# Altium PCB PCB1.PcbDoc
Units mm, origin at the board's own origin, x right, y up, seen from the top; angles counter-clockwise.
Board outline 119.63 x 64.8 mm, 2 copper layers (Top Layer, Bottom Layer), stack 1.535 mm thick; 49 components, 73 nets, 318 pads, 199 vias.
Unrouted connection lines stored in the file: 1.
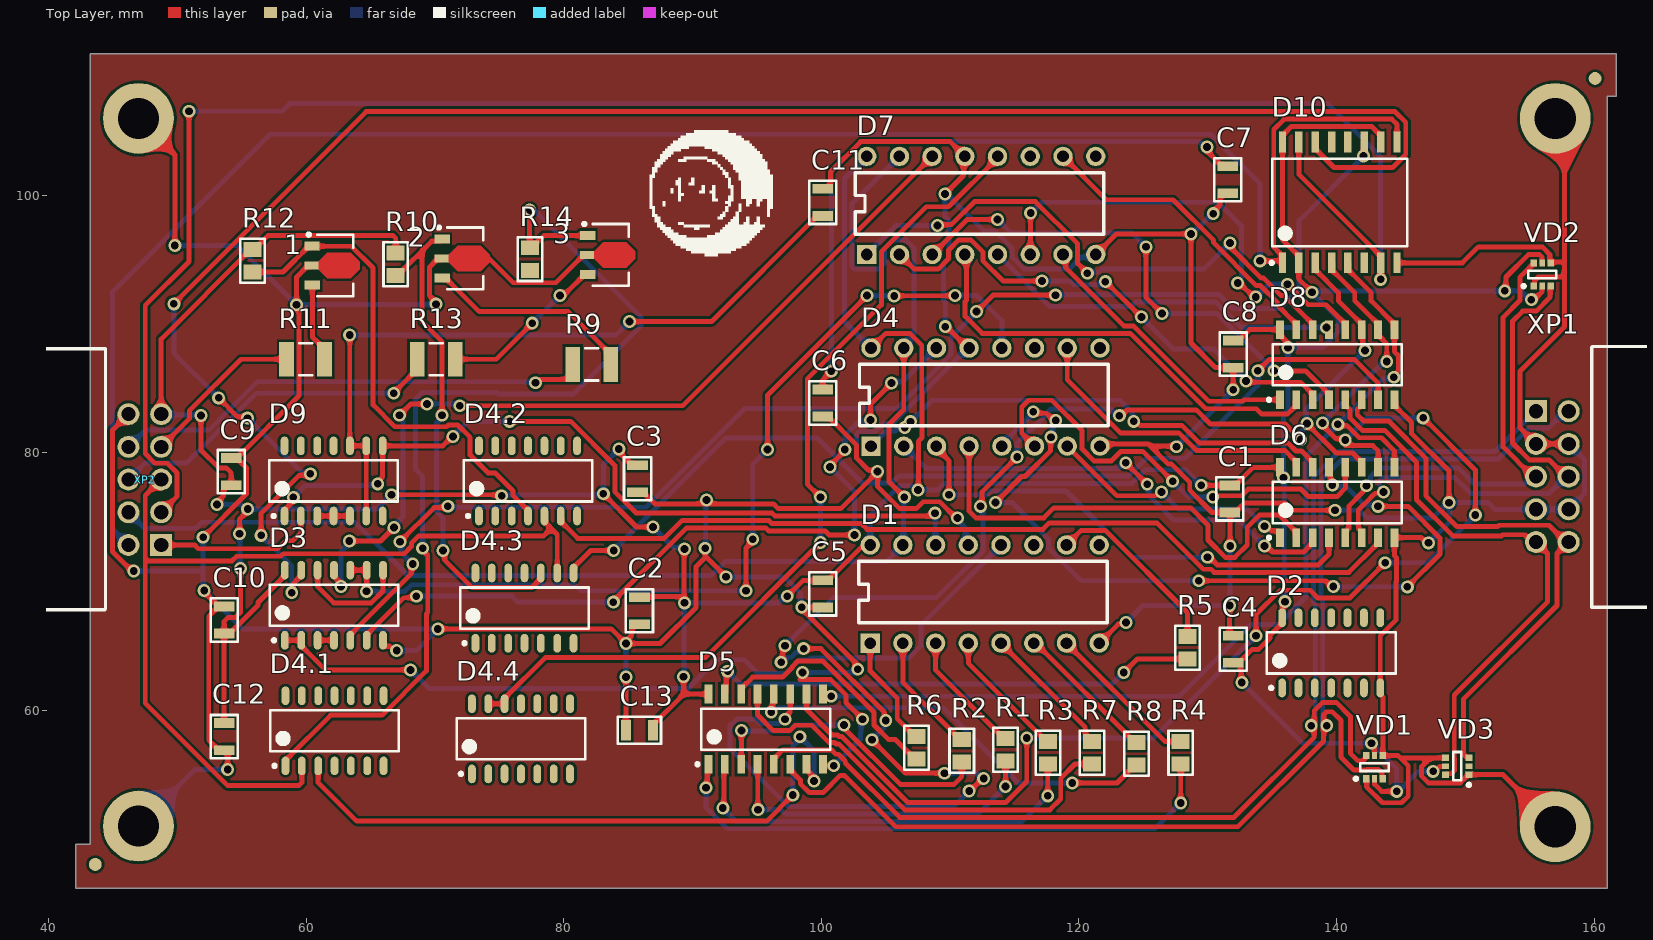
[diagram p0: Top Layer view]
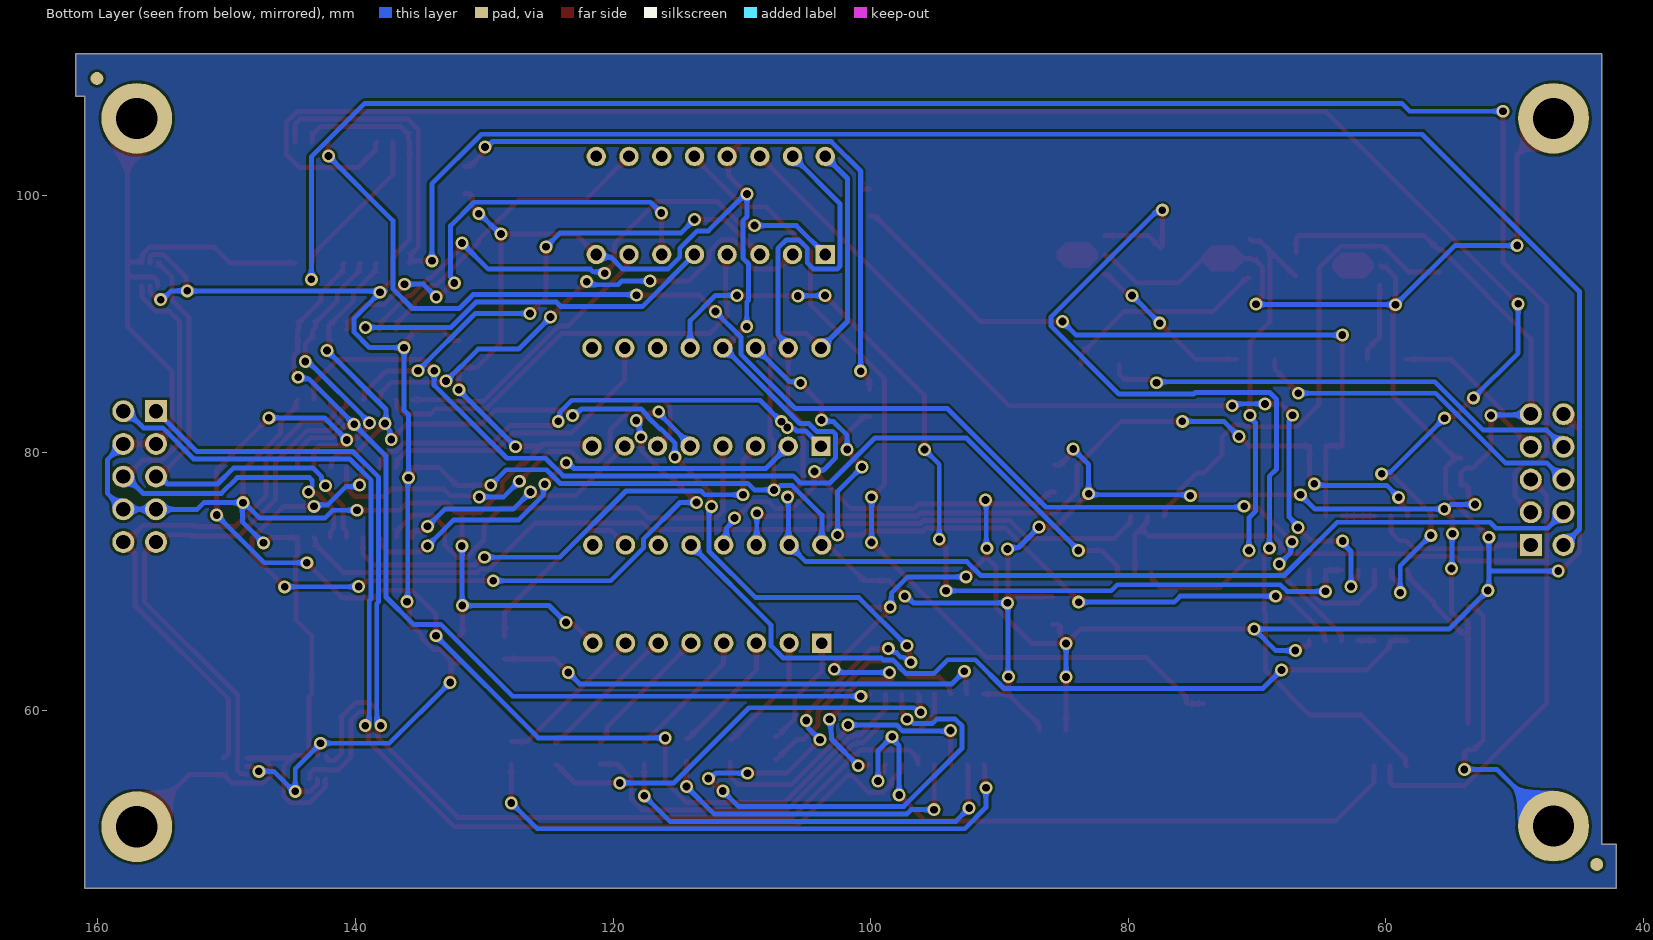
[diagram p1: Bottom Layer view, seen from below]
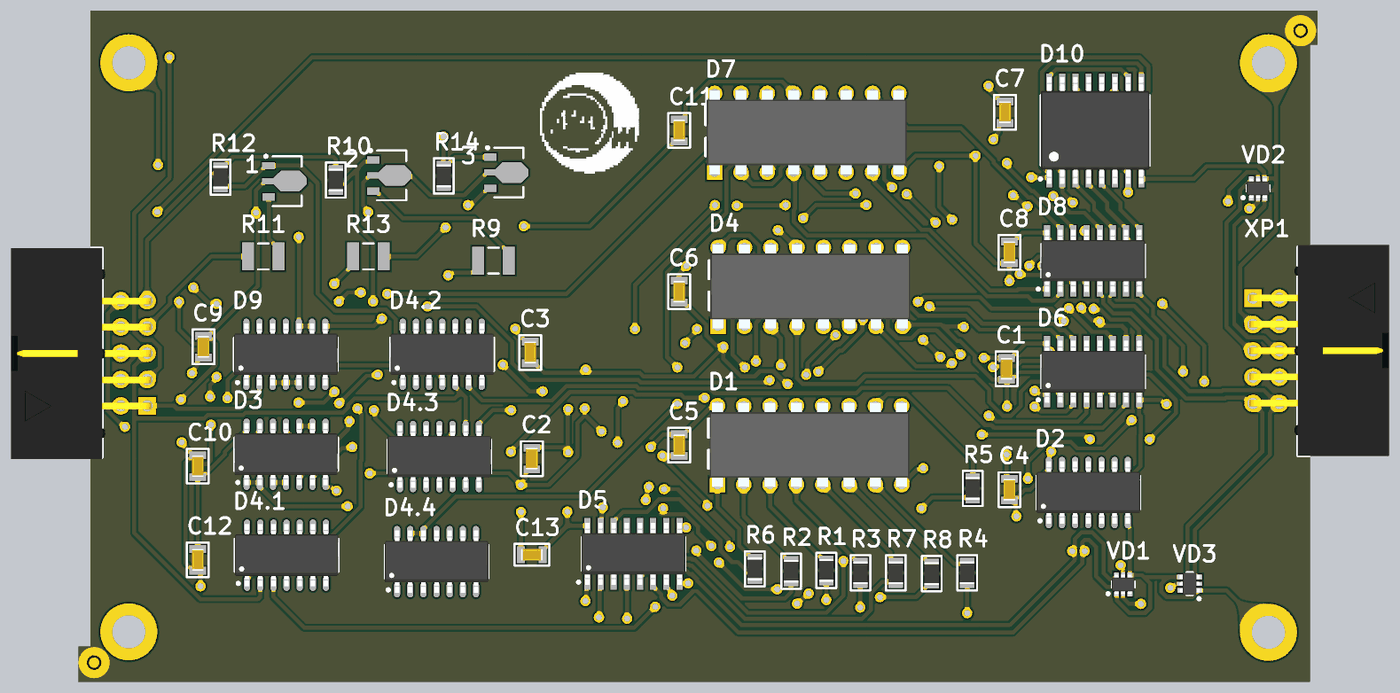
[diagram p2: 3D render of the assembled board from above, using the file's embedded part models]

## Layer stack, top to bottom
Top Solder: solder mask 0.0254, SM-001, Dk 4
Top Layer: signal copper 0.018
Dielectric 1: core 1.499, Core-043, Dk 4.3
Bottom Layer: signal copper 0.018
Bottom Solder: solder mask 0.0254, SM-001, Dk 4

## Board outline
43.25,111 161.725,111 161.725,107.7 161,107.7 161,48 161.004,47.972 161.004,46.654 161.003,46.654 161.003,46.203 161,46.2 42.1,46.2 42.1,49.625 43.25,49.625

## Design rules (kind name [scope] priority, off if disabled: settings)
Clearance [All] p1: gap=0.2 ignorepadtopadclearanceinfootprint=FALSE
DiffPairsRouting [All] p1: maxlimit=0.77 minlimit=0.2 mostfreqgap=0.35 toplayer_minwidth=0.2 toplayer_maxwidth=0.5 toplayer_prefwidth=0.38 bottomlayer_minwidth=0.2 bottomlayer_maxwidth=0.5 bottomlayer_prefwidth=0.38 maxuncoupledlength=12.7
HoleSize [All] p1: absolutevalues=TRUE maxlimit=4.5 minlimit=0.3 maxpercent=80.000 minpercent=20.000
PolygonConnect [All] p1: connectstyle=Relief reliefconductorwidth=0.254 reliefentries=4 polygonreliefangle="90 Angle" airgapwidth=0.254
RoutingVias [All] p1: holewidth=0.6 width=1 viastyle="Through Hole" minholewidth=0.4 minwidth=0.8 maxholewidth=1 maxwidth=1.5
SolderMaskExpansion [All] p1: expansion=0.102 istentingtop=FALSE
Width [All] p1: maxlimit=0.5 minlimit=0.2 preferedwidth=0.38 minimp=50.000000 maximp=50.000000 favimp=50.000000
28 further rules are at their usual default settings.

## Classes and differential pairs
component class МИЭТ_8161930_003_Э3_Лист_2: 1 2 3 C11 C12 C13 D9 D10 R9 R10 R11 R12 R13 R14 XP2 Р3
component class МИЭТ_8161930_003_Э3_Лист_1: C1 C2 C3 C4 C5 C6 C7 C8 C9 C10 D1 D2 D3 D4 D4.1 D4.2 D4.3 D4.4 D5 D6 D7 D8 R1 R2 R3 R4 R5 R6 R7 R8 VD1 VD2 VD3 XP1
differential pair L3: +L3_P -L3_N
differential pair L2: +L2_P -L2_N
differential pair L1: +L1_P -L1_N

## Components (designator, comment, footprint, x,y, rotation, side; value= is the part's Value field where it differs from the comment)
1 "Транзистор" SOT89-150P340X160-3N 62,94.55 r0 top
2 "Транзистор" SOT89-150P340X160-3N 72.1,95.1 r0 top
3 "Транзистор" SOT89-150P340X160-3N 83.4,95.375 r0 top
C1 "" 0805_N 131.7,76.425 r90 top
C2 "" 0805_N 85.875,67.75 r90 top
C3 "" 0805_N 85.725,78 r90 top
C4 "" 0805_N 131.975,64.75 r90 top
C5 "" 0805_N 100.1,69.05 r90 top
C6 "" 0805_N 100.1,83.875 r90 top
C7 "" 0805_N 131.55,101.2 r270 top
C8 "" 0805_N 131.975,87.675 r90 top
C9 "" 0805_N 54.175,78.55 r90 top
C10 "" 0805_N 53.625,67.025 r90 top
C11 "" 0805_N 100.1,99.45 r270 top
C12 "" 0805_N 53.625,57.975 r90 top
C13 "" 0805_N 85.875,58.475 r180 top
D1 "DIP-16" DIP16 103.79,65.23 r90 top
D2 "74AC00SC" SO14-N 139.585,64.475 r90 top
D3 "74AC00SC" SO14-N 62.155,68.175 r90 top
D4 "DIP-16" DIP16 103.855,80.525 r90 top
D4.1 "74AC00SC" SO14-N 62.2,58.425 r90 top
D4.2 "74AC00SC" SO14-N 77.225,77.825 r90 top
D4.3 "74AC00SC" SO14-N 76.95,67.95 r90 top
D4.4 "74AC00SC" SO14-N 76.675,57.8 r90 top
D5 "SOIC-16" SO16-N 95.675,58.55 r90 top
D6 "SOIC-16" SO16-N 140.05,76.15 r90 top
D7 "DIP-16" DIP16 103.52,95.405 r90 top
D8 "SOIC-16" SO16-N 140.05,86.85 r90 top
D9 "74AC00SC" SO14-N 62.125,77.825 r90 top
D10 "MC14520BDWG" SOIC-16W-N 140.25,99.45 r90 top
R1 "0805" RES_0805_2012_N 114.3,56.95 r270 top
R2 "0805" RES_0805_2012_N 110.9,56.875 r270 top
R3 "0805" RES_0805_2012_N 117.6,56.725 r270 top
R4 "0805" RES_0805_2012_N 127.9,56.725 r270 top
R5 "0805" RES_0805_2012_N 128.425,64.875 r270 top
R6 "0805" RES_0805_2012_N 107.4,57.1 r270 top
R7 "0805" RES_0805_2012_N 121,56.725 r270 top
R8 "0805" RES_0805_2012_N 124.475,56.65 r270 top
R9 "Резистор" CAPC3225X06N 82.175,86.875 r0 top
R10 "0805" RES_0805_2012_N 66.95,94.65 r90 top
R11 "Резистор" CAPC3225X06N 59.95,87.275 r0 top
R12 "0805" RES_0805_2012_N 55.825,94.925 r90 top
R13 "Резистор" CAPC3225X06N 70.1,87.275 r0 top
R14 "0805" RES_0805_2012_N 77.375,95.05 r90 top
VD1 "SOT-363" SOT363_NXP 142.95,55.6 r90 top
VD2 "SOT-363" SOT363_NXP 155.975,93.85 r90 top
VD3 "SOT-363" SOT363_NXP 149.375,55.675 r180 top
XP1 "TE_1-1634689-0" BH-10R 156.755,78.16 r180 top
XP2 "TE_1-1634689-0" BH-10R 47.47,77.93 r0 top

## Footprints (in the part's own frame and the unit in brackets; to place one, negate y for a bottom-side part, rotate by r counter-clockwise, add the part's x,y. Pads: shape width x height; smd on the part's side, far side on the other; paste and mask are expansions set on the pad)
0805_N [mm] "Резистор, конденсатор"
  rect 0.75x1.6 smd: 1(-1.05,0) 2(1.05,0)
  silkscreen extent -1.68,-1.05 1.68,1.05, body extent -1.05,-0.58 1.05,0.58, height 1
BH-10R [mm] "Разъем угловой 2х5х2,54 типа ВН"
  rect 1.7x1.7 hole 1.1: 1(1.27,-5.08)
  round 1.7 hole 1.1: 2(-1.27,-5.08) 3(1.27,-2.54) 4(-1.27,-2.54) 5(1.27,0) 6(-1.27,0) 7(1.27,2.54) 8(-1.27,2.54) 9(1.27,5.08) 10(-1.27,5.08)
  silkscreen extent -11.8,-10.1 -3.05,10.15, body extent -11.85,-10.2 1.65,10.15, height 9.13
CAPC3225X06N [mm] "Chip Capacitor, 2-Leads, Body 3,20x2,50mm, IPC Medium Density"
  rect 1.15x2.7 smd: 1(-1.475,0) 2(1.475,0)
  silkscreen extent -0.5,-1.25 0.5,1.25, body extent -1.7,-1.35 1.7,1.35, height 0.6
DIP16 [mm]
  rect 1.5x1.5 hole 0.9: 1(0,0)
  round 1.5 hole 0.9: 2(0,-2.54) 3(0,-5.08) 4(0,-7.62) 5(0,-10.16) 6(0,-12.7) 7(0,-15.24) 8(0,-17.78) 9(7.62,-17.78) 10(7.62,-15.24) 11(7.62,-12.7) 12(7.62,-10.16) 13(7.62,-7.62) 14(7.62,-5.08) 15(7.62,-2.54) 16(7.62,0)
  silkscreen extent 1.58,-18.41 6.35,0.89, body extent -0.25,-18.54 7.95,0.76, height 5.08
RES_0805_2012_N [mm] "Rezistor 0805"
  rect 1.15x1.4 smd: 1(-0.875,0) 2(0.875,0)
  silkscreen extent -1.7,-0.95 1.7,0.95, body extent -1.1,-0.7 1.1,0.7, height 0.6
SO14-N [mm]
  oval 1.45x0.6 smd: 1(-2.725,3.81) 2(-2.725,2.54) 3(-2.725,1.27) 4(-2.725,0) 5(-2.725,-1.27) 6(-2.725,-2.54) 7(-2.725,-3.81) 8(2.725,-3.81) 9(2.725,-2.54) 10(2.725,-1.27) 11(2.725,0) 12(2.725,1.27) 13(2.725,2.54) 14(2.725,3.81)
  silkscreen extent -2.85,-5 1.6,5, body extent -3,-5 3,5, height 1.45
SO16-N [mm] "SOIC, 16-Leads, Body 9,90x3,90mm, Pitch 1,27mm, IPC Medium Density"
  rect 1.45x0.6 smd: 1(-2.725,4.445) 2(-2.725,3.175) 3(-2.725,1.905) 4(-2.725,0.635) 5(-2.725,-0.635) 6(-2.725,-1.905) 7(-2.725,-3.175) 8(-2.725,-4.445) 9(2.725,-4.445) 10(2.725,-3.175) 11(2.725,-1.905) 12(2.725,-0.635) 13(2.725,0.635) 14(2.725,1.905) 15(2.725,3.175) 16(2.725,4.445)
  silkscreen extent -2.85,-5 1.6,5.42, body extent -3,-5 3,5, height 1.45
SOIC-16W-N [mm] "SOIC, 16-Leads, Body 10,30x7,50mm, Pitch 1,27mm, IPC Medium Density"
  rect 1.62x0.58 smd: 1(-4.69,4.445) 2(-4.69,3.175) 3(-4.69,1.905) 4(-4.69,0.635) 5(-4.69,-0.635) 6(-4.69,-1.905) 7(-4.69,-3.175) 8(-4.69,-4.445) 9(4.69,-4.445) 10(4.69,-3.175) 11(4.69,-1.905) 12(4.69,-0.635) 13(4.69,0.635) 14(4.69,1.905) 15(4.69,3.175) 16(4.69,4.445)
  silkscreen extent -4.81,-5.25 3.4,5.41, body extent -5.15,-5.25 5.15,5.25, height 2.65
SOT89-150P340X160-3N [mm] "SOT89, 3-Leads, Body 4,60x2,60mm, Pitch 1,50mm, Lead Span 3,4mm, IPC Medium Density"
  rect 1.2x0.7 smd: 1(-1.55,1.5) 2(-1.524,-1.524)
  rect 1.1x0.6 smd: 3(-1.6,0)
  Top Layer region: -1.05,0.3 -0.35,1 1.45,1 2.15,0.3 2.15,-0.3 1.45,-1 -0.35,-1 -1.05,-0.3
  silkscreen extent -1.92,-2.4 1.65,2.52, body extent -1.15,-2.4 1.65,2.4, height 1.6
SOT363_NXP [mm]
  rect 0.55x0.5 smd: 1(-0.9,0.65) 3(-0.9,-0.65) 4(0.9,-0.65) 6(0.9,0.65)
  rect 0.55x0.4 smd: 2(-0.9,0) 5(0.9,0)
  silkscreen extent -1.02,-1.1 0.3,1.57, body extent -1.15,-1.1 1.15,1.1, height 1.1

## Part data
1 2 3: "Транзистор 2Т665А9 АЕЯР.432140.605 ТУ"
C1 C2 C3 C4 C5 C6 C7 C8 C9 C10 C11 C12 C13: library part К10-79_0805_Н90, "Чип конденсатор 0805 Н90 ряд Е6", Case=0805, Manufacturer="ООО \"Кулон\"", Tolerance=+80%-20%, BOM="Конденсатор К10-79-*-B-*+80%-20%-Н90 АЖЯР.673511.004 ТУ", Created_by=Желобаев, Issue_date=19_12_2018, Name="Конденсатор К10-79", TKE=Н90, TU="АЖЯР.673511.004 ТУ", Type=K10-79, Version=0, Weight=0.05
D1 D4 D7: library part HCF4017BEY, "Декадный счетчик c 10 декодированными выходами", Manufacturer=STMicroelectronics, Power_Voltage="-0.5 -22 V", BOM="Микросхема HCF4017BEY \"STMicroelectronics\"", Case=DIP-16, Created_by=Желобаев, Issue_date=05.04.2019, Name="Микросхема HCF4017BEY", Version=0
D2 D3 D4.1 D4.2 D4.3 D4.4 D9: "4 элемента 2И-НЕ TTL SOIC-14", Case=SOIC-14, Manufacturer="ON Semiconductor", Power_Voltage="4.5 - 5.5 V", BOM="Микросхема 74AC00SC \"ON Semiconductor\"", Created_by=Желобаев, Issue_date=10.04.2019, Name="Микросхема 74AC00SC", Version=0
D5 D6 D8: library part 74HC151D, "мультиплексор 8 канальный CMOS", Manufacturer="NXP Semiconductors", Power_Voltage="2.0 -6.0 V", BOM="Микросхема 74YC151D \"NXP Semiconductors\"", Case=SOIC-16, Created_by=Желобаев, Issue_date=05.04.2019, Name="Микросхема 74YC151D", Version=0
D10: "Два двоичных счетчика", Case=SOIC-16, Manufacturer=Motorola, BOM="Микросхема MC14520BDWG \"Motorola\"", Created_by=Желобаев, Issue_date=6.01.2019, Name="Микросхема MC14520BDWG", Version=0
R1 R2 R3 R4 R5 R6 R7 R8 R10 R12 R14: library part Р1-12-0,125-5%, "Резистор от 0,75 Ом до 2 МОм", Manufacturer="ОАО \"НПО \"Эркон\"", Tolerance=5%, Voltage=150, BOM="Резистор Р1-12-0,125 * 5%-M-\"A\" АЛЯР.434110.005 ТУ", ComponentLink1Description="Сайт производителя", ComponentLink1URL=https://www.erkon-nn.ru/catalog/rezistory-obshchego-primeneniya/, Created_by=Желобаев, Hight=0,5, Issue_date=05_12_2018, LiveStatus=Производится, Name="Резистор Р1-12-0,125", Reliability=0,000001, Size=0805, TKR=M, TU="АЛЯР.434110.005 ТУ", Type="Р1-12-0,125±5%-М-\"А\"", Version=00, Weight=0,01
R9 R11 R13: "Резистор Р1-12-0,1 4,7 кОм 5%-M-\"A\" АЛЯР.434110.005 ТУ"
VD1 VD2 VD3: library part BAV99S, "Высокоскоростные, переключающие диоды", Manufacturer=Nexperia, Voltage=100, BOM="Диод BAV99S \"Nexperia\"", Case=SOT-363, Created_by=Желобаев, Issue_date=07.01.2019, Name="Диод BAV99S", Version=0
XP1 XP2: "Вилка типа BH-10R угловая правая двухрядная 2х5х2.54", Case=BH-10R, Manufacturer="TE Connectivity", BOM="Вилка угловая TE_1-1634689-0 \"TE Connectivity\"", Created_by=Желобаев, Issue_date=13.05.2019, Name="Вилка угловая TE_1-1634689-0", Version=0

## Free pads (board coordinates)
  round 5.5 hole 3.2: 1(-315.3,94.275) M1(46.975,51.025) M2(46.975,105.975) M3(156.975,105.975) M4(156.975,50.975)
  round 1 all layers, no hole paste+0 mask+1: Rep1(160.075,109.075) Rep2(43.625,48.05)

## Via types
v1: diameter 1, hole 0.6, Top Layer to Bottom Layer, 199 vias

## Nets (pads, with @x,y where several pads share a name; then routed paths per layer and width w, separated by ;. In a path a pad name is that pad's centre, name@x,y a point inside that pad or via, vN(x,y) a via of type N, cw(c..) or ccw(c..) an arc to the next point about the centre after c; other vN are vias at no path point)
+5: C1.2 C2.2 C3.2 C4.1 C5.2 C8.2 C9.1 C10.1 C12.2 C13.1 D1.16 D2.14 D3.14 D4.16 D5.16 D6.16 D7.16 D8.16 D10.2 D10.10 D10.16 R10.2 R12.2 VD1.2 VD1.5 VD2.2 VD2.5 VD3.2 VD3.5 XP2.9 | length 331
  Top Layer w0.38: XP2.9 48.74,88.84 55.7,95.8 55.95,95.8 57.043,96.893 66.727,96.893 66.95,96.67 R10.2 ; v1(51.825,82.9) 51.825,80.223 53.213,78.835 53.785,78.835 54.175,78.445 C9.1 53.75,77.5 53.565,77.315 53.565,76.658 53.075,76.168 v1(53.075,76) ; C12.2 C10.1 ; v1(54.825,73.725) 54.825,74.849 55.454,75.478 v1(55.454,75.646) ; v1(54.9,71.025) 54.9,67.623 54.506,67.229 53.934,67.229 53.625,66.92 C10.1 ; D3.14 58.273,70.828 58.273,70.403 56.254,68.384 56.254,68.179 54.05,65.975 C10.1 ; v1(66.625,76.75) 75.1,76.75 v1(75.175,76.675) ; v1(83.075,76.825) 85.65,74.25 v1(86.925,74.25) ; v1(84.275,80.3) 84.394,80.181 84.394,79.956 85.3,79.05 C3.2 ; C2.2 85.913,68.838 v1@89.338,68.838 ; C13.1 86.925,58.9 89.3,61.275 ; v1(89.3,62.625) 89.3,61.275 ; v1(89.375,68.36) 89.338,68.397 v1@89.338,68.838 ; v1(89.375,72.535) 89.338,72.498 v1@89.338,68.838 ; D5.16 89.3,61.275 ; v1(97.35,68.875) 98.562,70.087 100.087,70.087 C5.2 100.525,70.1 103.061,72.636 103.576,72.636 D1.16 ; D4.16 104.995,89.285 106.867,89.285 107.795,88.357 107.795,84.761 107.815,84.741 107.815,81.176 107.535,80.896 107.535,77.163 v1(107.501,77.129) ; v1(129.494,77.486) 129.5,77.481 131.694,77.481 C1.2 132.125,77.475 133.525,78.875 D6.16 135.605,78.45 v1@135.961,78.094 ; C8.2 132.4,88.725 133.25,89.575 D8.16 135.605,89.15 v1@136.106,88.649 ; v1(132.65,62.175) 132.585,62.24 132.585,63.515 C4.1@132.4,63.7 ; v1@135.817,68.099 135.817,66.817 134.83,65.83 134.83,65.622 133.957,64.749 133.449,64.749 C4.1@132.4,63.7 ; v1(138.088,92.471) 137.075,93.484 137.075,95.28 135.805,96.55 D10.16 135.905,104.24 135.905,104.76 136.485,105.34 142.745,105.34 143.325,104.76 143.325,104.24 D10.10 ; v1(142.71,57.456) 142.71,57.289 142.94,57.059 142.94,56.51 VD1.5 ; VD1.2 142.96,54.69 142.96,54.263 143.498,53.725 v1(144.675,53.725) ; v1(147.5,55.275) 147.648,55.275 148.038,55.665 148.465,55.665 VD3.5 ; v1(153.064,92.586) 153.154,92.676 153.154,93.656 154.913,95.415 155.737,95.415 155.965,95.187 155.965,94.76 VD2.5 ; v1(155.125,91.9) 155.244,92.019 155.47,92.019 155.965,92.513 155.965,92.94 VD2.2 ; C4.1@132.4,63.7 C4.1 C4.1@132.4,63.7
  Bottom Layer w0.38: XP2.9 48.795,82.955 51.77,82.955 v1(51.825,82.9) ; v1(53.075,76) 54.932,76 55.287,75.646 65.521,75.646 v1(66.625,76.75) ; v1(54.825,73.725) 54.863,73.688 54.863,71.062 v1(54.9,71.025) ; v1(75.175,76.675) 75.25,76.75 83,76.75 v1(83.075,76.825) 83.075,79.1 v1(84.275,80.3) ; v1(86.925,74.25) 88.521,72.654 89.256,72.654 v1(89.375,72.535) ; v1(89.3,62.625) 89.337,62.663 89.337,68.322 v1(89.375,68.36) ; v1@89.3,68.36 96.667,68.36 97.182,68.875 v1(97.35,68.875) ; D7.16 101.8,101.305 101.8,90.2 D4.16 ; D1.16 103.79,75.172 106.073,77.455 107.007,77.455 107.333,77.129 v1(107.501,77.129) ; v1@107.501,77.122 107.508,77.129 109.029,77.129 109.54,77.64 124.116,77.64 125.166,78.69 128.29,78.69 v1(129.494,77.486) ; v1(132.65,62.175) 137.369,57.456 v1(142.71,57.456) 144.675,55.491 v1(144.675,53.725) 144.805,53.725 146.355,55.275 v1(147.5,55.275) ; v1(135.879,78.075) v1@136.125,78.075 ; v1(136,68.45) 135.94,68.51 135.94,77.89 v1@136.125,78.075 ; v1@137.67,92.586 138.088,92.586 138.111,92.563 153.182,92.563 153.205,92.586 154.298,92.586 154.984,91.9 v1(155.125,91.9) ; v1(138.088,92.471) 140.105,90.454 140.105,89.372 138.908,88.175 v1(136.225,88.175) 136.225,83.298 135.879,82.952 135.879,78.321 v1@136.125,78.075
Canal16_0: D4.3 D6.4 | length 37.8
  Top Layer w0.38: D4.3 108.935,80.368 109.909,79.395 v1(109.909,76.75) ; v1(129.975,71.9) 130.143,71.9 130.733,71.31 138.595,71.31 139.415,72.13 D6.4
  Bottom Layer w0.38: v1(109.909,76.75) 112.866,76.75 113.156,77.04 118.992,77.04 124.132,71.9 v1(129.975,71.9)
Canal16_1: D4.2 D6.3 | length 36.7
  Top Layer w0.38: v1@123.632,79.234 v1@125.3,77.566 ; v1(134.4,72.78) 134.568,72.78 135.038,72.31 137.455,72.31 138.035,72.89 138.035,73.315 D6.3
  Bottom Layer w0.38: D4.2 108.12,78.8 123.03,78.8 123.465,79.235 v1(123.632,79.235) ; v1(125.3,77.565) 125.419,77.446 125.419,76.701 127.32,74.8 132.38,74.8 v1(134.4,72.78)
Canal16_2: D4.4 D6.2 | length 36.4
  Top Layer w0.38: D4.4 111.473,80.523 111.473,75.481 111.994,74.96 117.275,74.96 118.05,75.735 128.668,75.735 130.02,74.383 130.02,73.242 131.371,71.89 132.109,71.89 133.07,72.851 133.07,74.229 134.031,75.19 135.535,75.19 136.765,73.96 136.765,73.535 D6.2
Canal16_3: D4.7 D6.1 | length 19.9
  Top Layer w0.38: D4.7 122.945,76.675 125.955,76.675 126.245,76.965 v1(126.413,76.965) ; v1(134.4,74.3) 134.568,74.3 134.908,73.96 135.495,73.96 135.605,73.85 D6.1
  Bottom Layer w0.38: v1(126.413,76.965) 127.746,75.633 133.068,75.633 v1(134.4,74.3)
Canal16_4: D4.10 D6.15 | length 23.3
  Top Layer w0.38: D4.10 119.095,85.678 123.213,81.56 127.749,81.56 129.106,80.203 135.972,80.203 136.765,79.41 136.765,78.985 D6.15
Canal16_5: D4.1 D6.14 | length 38.5
  Top Layer w0.38: v1(106.473,81.973) v1(106.925,82.425) ; v1(124.25,82.45) 124.418,82.45 124.728,82.14 127.989,82.14 129.346,80.783 136.213,80.783 136.849,80.146 137.299,80.146 138.035,79.41 138.035,78.985 D6.14
  Bottom Layer w0.38: D4.1 105.035,81.705 105.748,81.705 105.897,81.854 106.354,81.854 v1(106.473,81.973) ; v1(106.925,82.425) 108.59,84.09 123.2,84.09 124.131,83.159 124.131,82.569 v1(124.25,82.45)
Canal16_6: D4.5 D6.13 | length 65.6
  Top Layer w0.38: v1(113.525,76.15) 115.541,78.166 115.809,78.166 117.797,80.155 117.797,81.197 v1(117.825,81.225) ; v1(116.45,83.2) 116.569,83.081 117.476,83.081 118.032,82.525 v1(118.2,82.525) ; v1(129.3,70.075) 139.132,70.075 139.582,69.625 v1(139.75,69.625) ; D6.13 139.525,78.765 139.525,77.823 139.675,77.673 v1(139.675,77.505) ; v1(143.225,75.85) 145.563,75.85 148.03,73.384 148.03,72.13 v1(145.5,69.6)
  Bottom Layer w0.38: v1(113.525,76.15) 114.802,76.15 117.63,73.322 117.63,72.638 120.193,70.075 v1(129.3,70.075) ; D4.5 114.015,80.645 116.45,83.08 v1(116.45,83.2) ; v1(117.825,81.225) 117.944,81.343 117.944,82.101 118.2,82.357 v1(118.2,82.525) ; v1(139.675,77.505) 139.794,77.386 140.741,77.386 142.159,75.969 143.106,75.969 v1(143.225,75.85) ; v1(139.75,69.625) 139.762,69.612 145.488,69.612 v1(145.5,69.6)
Canal16_7: D4.6 D6.12 | length 35.7
  Top Layer w0.38: D4.6 115.56,81.52 115.56,83.569 116.081,84.09 117.894,84.09 120.235,81.749 120.235,80.313 121.163,79.385 122.524,79.385 123.264,80.125 124.95,80.125 v1(127.275,77.8) ; v1(130.388,76.585) 130.48,76.677 132.629,76.677 133.137,77.185 137.243,77.185 137.813,76.615 140.044,76.615 140.685,77.256 D6.12
  Bottom Layer w0.38: v1(127.275,77.8) 128.49,76.585 v1(130.388,76.585)
Canal16_8: D7.3 D8.4 | length 40.3
  Top Layer w0.38: D7.3 111.32,98.125 v1(113.675,98.125) ; v1(125.2,96) 125.2,92.075 v1(126.45,90.825) ; v1(135.15,86.375) 137.59,86.375 139.305,84.66 139.305,84.235 D8.4
  Bottom Layer w0.38: v1(113.675,98.125) 114.738,97.062 124.138,97.062 v1(125.2,96) ; v1(126.45,90.825) 130.7,90.825 v1(135.15,86.375)
Canal16_9: D7.2 D8.3 | length 39.9
  Top Layer w0.38: D7.2 107.2,94.265 109.072,94.265 109.87,95.063 109.87,95.747 110.668,96.545 111.612,96.545 112.54,95.617 112.54,94.933 114.123,93.35 v1(117.125,93.35) ; v1(122.05,93.3) 122.075,93.3 124.825,90.55 v1(124.85,90.55) ; v1(132.966,85.577) 133.058,85.485 137.21,85.485 138.035,84.66 138.035,84.235 D8.3
  Bottom Layer w0.38: v1(117.125,93.35) 119.322,93.35 119.613,93.06 121.642,93.06 121.882,93.3 v1(122.05,93.3) ; v1(124.85,90.55) 127.337,88.063 130.479,88.063 v1(132.966,85.577)
Canal16_10: D7.4 D8.2 | length 34.5
  Top Layer w0.38: D7.4 111.265,95.28 111.265,91.856 111.16,91.751 111.16,90.606 112.481,89.285 123.986,89.285 129.841,83.43 133.77,83.43 134.19,83.01 136.185,83.01 136.765,83.59 136.765,84.015 D8.2
Canal16_11: D7.7 D8.1 | length 22.1
  Top Layer w0.38: D7.7 118.974,95.191 118.974,94.367 123.476,89.865 124.226,89.865 130.081,84.01 132.731,84.01 132.846,84.125 D8.1
Canal16_12: D7.10 D8.15 | length 24.2
  Top Layer w0.38: D7.10 122.126,99.659 127.3,99.659 130.451,96.507 130.451,96.315 133.776,92.99 134.094,92.99 135.429,91.654 135.429,91.446 136.765,90.11 136.765,89.685 D8.15